# Allegro board dspeak-v1_00-0b.brd (continued)
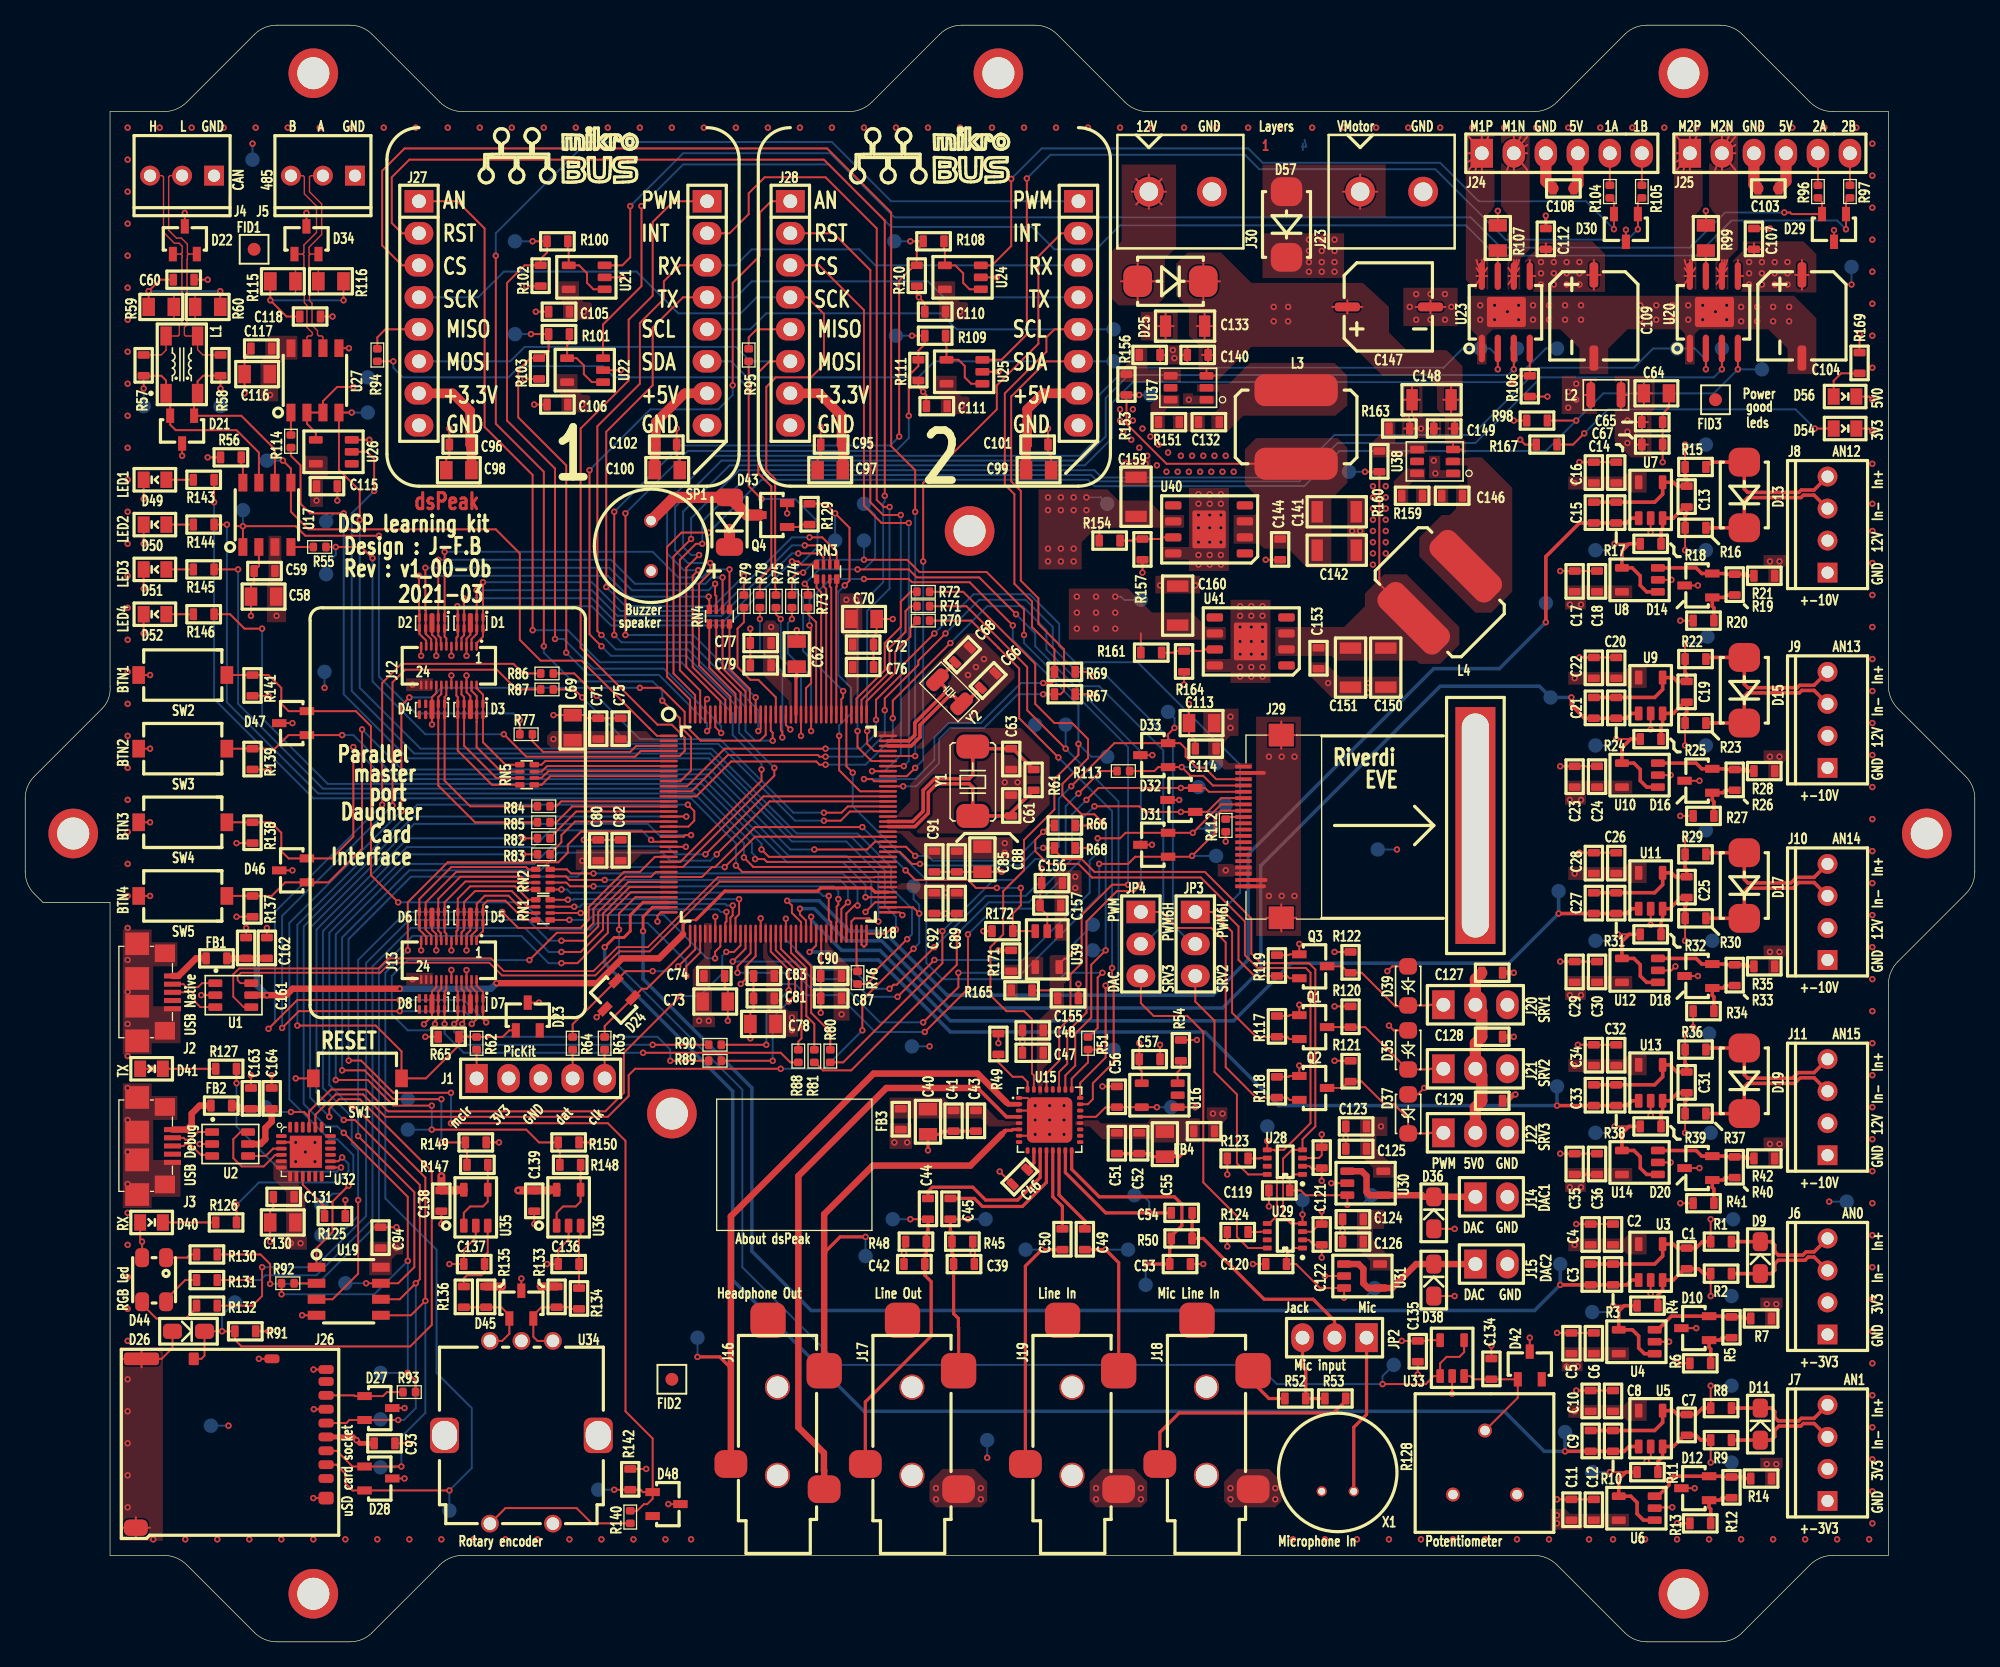
[diagram p0: board, top side]
## Copper pours and planes (outline as drawn; the poured copper is in the pictures) (continued)
DVDD_3V3 on TOP: 32.38,53.09 32.38,52.07 30.23,52.07 30.23,53.09
DVDD_3V3 on TOP: 49.91,71.63 51.82,71.63 51.82,71.37 48.13,71.37 47.62,70.87 41.78,70.87 41.4,71.25 41.4,71.88 41.78,72.26 49.28,72.26
DVDD_3V3 on TOP: 67.56,64.52 67.56,64.14 69.47,64.14 71.5,62.1 78.36,62.1 78.36,63.88 70.61,63.88 69.98,64.52
DVDD_3V3 on TOP: 22.23,94.11 23.88,94.11 24,93.98 24,92.58 23.62,92.2 23.62,90.04 22.61,90.04 22.61,92.58 22.1,93.09 22.1,93.98
DVDD_3V3 on TOP: 90.3,89.41 91.95,89.41 91.95,88.39 84.96,88.39 83.82,87.25 83.82,85.09 80.39,85.09 80.39,91.44 85.85,91.44 86.74,90.55 89.15,90.55
DVDD_3V3 on TOP: 69.34,60.07 67.56,60.07 67.56,59.69 70.23,59.69 70.99,58.93 74.68,58.93 74.68,60.2 69.47,60.2
DVDD_3V3 on TOP: 27.3,29.08 27.3,31.75 29.97,31.75 29.97,30.73 29.46,30.73 29.08,30.35 29.08,29.08
DVDD_3V3 on INNER2: 8.51,119.77 72.01,119.64 72.01,100.58 124.46,100.58 124.46,96.65 121.79,93.98 117.86,93.98 117.86,75.56 117.35,75.06 112.78,75.06 112.78,44.01 111.7,44.01 111.43,44.12 111.32,44.39 111.32,46.55 111.32,46.57 111.29,46.64 111.21,46.67 111.24,46.67 111.31,46.67 111.36,46.72 111.39,46.77 111.39,46.87 111.3,46.93 106.28,46.93 106.18,46.86 106.2,46.75 105.01,47.95 104.9,47.97 104.84,47.87 104.84,46.1 104.81,45.86 104.71,45.63 104.71,43.73 104.7,43.62 104.79,43.56 107.97,43.56 107.98,43.59 108.33,43.82 108.68,43.59 108.69,43.56 112.78,43.56 97.41,43.56 92.07,38.23 81.15,38.23 73.28,46.1 47.37,46.1 47.37,18.8 52.58,13.59 52.58,8.51 8.51,8.51 ; 3 cut-outs
DVDD_3V5 on TOP: 97.66,95.5 104.14,95.5 104.9,94.74 104.9,91.95 103.63,90.68 103.63,85.22 101.73,85.22 100.2,86.74 98.3,86.74 97.92,87.12 95.88,87.12 95.88,89.41 97.54,89.41 97.92,89.79 97.92,90.68 96.77,91.82 96.77,94.62
DVDD_5V0 on TOP: 95.25,80.52 93.73,80.52 92.58,81.66 89.41,81.66 87.5,83.57 82.8,83.57 82.8,79.5 95.25,79.5
DVDD_5V0 on TOP: 42.29,107.95 42.29,106.68 42.67,106.3 42.67,104.9 44.96,104.9 44.96,106.17 44.83,106.3 44.32,106.3 43.94,106.68 43.94,107.95
DVDD_5V0 on TOP: 72.26,100.46 72.26,99.19 72.64,98.81 72.64,97.41 74.93,97.41 74.93,98.68 74.8,98.81 74.29,98.81 73.91,99.19 73.91,100.46
DVDD_5V0 on TOP: 42.16,100.58 42.16,99.31 42.55,98.93 42.55,97.54 44.83,97.54 44.83,98.81 44.7,98.93 44.2,98.93 43.82,99.31 43.82,100.58
DVDD_5V0 on TOP: 72.14,107.95 72.14,106.68 72.52,106.3 72.52,104.9 74.8,104.9 74.8,106.17 74.68,106.3 74.17,106.3 73.79,106.68 73.79,107.95
DVDD_5V0 on INNER2: 82.8,83.57 87.5,83.57 87.76,83.31 87.76,79.5 82.8,79.5
DVDD_5V0 on INNER2: 113.79,52.07 113.79,38.48 116.33,38.48 116.33,52.07
DVDD_5V2 on TOP: 99.19,80.52 99.19,78.23 103.63,78.23 104.01,77.85 110.36,77.85 110.62,77.6 112.27,77.6 113.79,79.12 113.79,80.52 109.6,84.71 107.82,84.71 106.3,83.19 106.3,82.17 104.65,80.52
DRV1_OUTA on TOP: 117.6,113.28 117.6,107.31 118.62,107.31 118.62,109.73 119.38,110.49 119.38,119.63 117.09,119.63 117.09,113.79
DRV1_OUTB on TOP: 114.3,119.63 116.59,119.63 116.59,113.79 115.82,113.03 115.82,109.98 116.08,109.73 116.08,107.31 115.06,107.31 114.3,108.08
DRV2_OUTA on TOP: 134.11,113.28 134.11,107.31 135.13,107.31 135.13,109.73 135.89,110.49 135.89,119.63 133.6,119.63 133.6,113.79
DRV2_OUTB on TOP: 130.81,119.63 133.1,119.63 133.1,113.79 132.33,113.03 132.33,109.98 132.59,109.73 132.59,107.31 131.57,107.31 130.81,108.08
VM on TOP: 119,109.6 119,107.06 125.35,107.06 125.35,110.11 124.33,111.12 119.76,111.12 119.76,110.36
VM on TOP: 135.51,109.6 135.51,107.06 142.11,107.06 142.11,110.11 141.1,111.12 136.27,111.12 136.27,110.36
VM on TOP: 98.17,111.76 98.17,108.2 104.65,108.2 104.65,111.76
VM on INNER2: 98.17,111.76 117.09,111.76 118.74,110.11 142.11,110.11 142.11,107.06 115.32,107.06 114.17,108.2 98.17,108.2
N834116 on TOP: 79.12,41.4 79.12,40.89 76.45,40.89 75.82,41.53 68.58,41.53 68.58,43.18 72.9,43.18 73.28,42.8 75.82,42.8 77.22,41.4
N835846 on TOP: 83.31,41.4 83.31,40.89 84.45,40.89 85.47,39.88 89.28,39.88 89.53,39.62 93.22,39.62 93.22,41.53 89.28,41.53 89.03,41.15 85.34,41.15 85.09,41.4
N1016369 on TOP: 91.57,98.93 90.04,98.93 89.28,98.17 89.28,96.01 90.42,96.01 90.42,97.66 90.8,98.04 91.57,98.04
N1016373 on TOP: 93.6,97.54 93.6,96.01 91.06,96.01 91.06,97.54
N1016377 on TOP: 92.96,99.82 95.5,99.82 97.16,101.47 103.89,101.47 104.9,100.46 104.9,98.09 103.94,97.28 96.65,97.28 95.38,96.01 94.11,96.01 94.11,97.28 94.74,97.92 94.74,99.19 92.96,99.19
N1016519 on TOP: 89.03,100.97 91.69,100.97 91.69,99.95 86.61,99.95 86.61,101.22 87.25,101.22 87.76,101.73 87.76,102.87 89.03,102.87
N1021147 on TOP: 77.47,53.72 77.47,52.58 77.72,52.32 77.72,51.05 78.74,51.05 78.74,52.7 80.77,52.7 80.77,54.36 79.38,54.36 78.74,53.72
N1028933 on TOP: 109.6,93.09 111.12,93.09 111.12,92.2 110.24,92.2 109.73,91.69 109.73,90.17 108.58,90.17 108.58,92.08
N1028937 on TOP: 110.36,91.69 110.36,90.17 112.9,90.17 112.9,91.69
N1028941 on TOP: 112.65,93.98 115.57,93.98 117.98,91.57 117.98,83.31 116.33,81.66 115.06,81.66 110.62,86.11 110.62,87.63 112.39,89.41 113.03,89.41 113.54,89.92 113.54,91.57 113.79,91.82 114.43,91.82 114.43,93.34 112.65,93.34
N1029099 on TOP: 108.71,95.12 111.25,95.12 111.25,94.36 111.12,94.23 109.73,94.23 109.47,93.98 106.68,93.98 106.68,95 107.57,95.89 107.57,97.03 108.71,97.03
N1403399 on TOP: 91.31,117.22 86.99,117.22 86.99,111.12 86.11,110.24 86.11,106.68 86.74,106.05 89.79,106.05 90.42,106.68 90.42,109.73 91.31,110.62
N1579889 on TOP: 98.17,117.22 98.17,113.03 107.95,113.03 107.95,117.22

## Text on the board
BOTTOM: 4
Ref Des/Silkscreen Bottom: CANL-C | GND | CANH-C | SDnDet | CANTX | U3RX | CANLBK | FLASHnWP | U1RX | CANRX | FLASHnCS | U1DE | U1TX | FLASHnHOLD | SPI2DO | SPI2DI | SPI2CLK | RENCB | RENCA | SDnCS | QEA2 | QEB2 | RENCSW | HP-R | Buzzer | HP-L | SPI3DO | SPI3CLK | QEA1 | LO-R | QEB1 | U3TX | LO-L | LI-R | I2S-COFS | I2S-CLK | 1V8 | 3V3 | I2S-DIN | MIC-Bias | SPI3nCS | LI-L | I2S-DOUT | 5V0 | MIC-In | ASCL1 | ASDA1 | SPI1DO | 3V5 | FT8XXnINT | SPI1CLK | CODEC-12MHz | SPI1DI | ASDA2 | SPI1nCS | FT8XXnPD | ASCL2 | 5V2 | VRC-PWM6L | VRC-PWM6H | A-Pot | PWM1H | PWM1L | ADCIN12 | ADCIN13 | ADCIN14 | ADCIN0 | ADCIN15 | ADCIN1 | AN0-Vref | AN1-Vref | AN13-Vref | AN14-Vref | nFault1 | AN12-Vref | AN15-Vref | PWM2H | PWM2L | AN12-In+ | AN12-In- | AN13-In- | AN14-In+ | AN13-In+ | AN15-In+ | AN15-In- | AN14-In- | AN0-In- | AN1-In- | AN0-In+ | AN1-In+ | nFault2 | Product | code | Date | Serial | Number | 2021-03 | dsPeak | Design : J-F.B | Rev : v1_00-0b | DSP learning kit
TOP: 1 | dsPeak
Ref Des/Silkscreen Top: H | L | GND | B | A | Rotary encoder | PicKit | speaker | Buzzer | Headphone Out | About dsPeak | Line Out | Line In | 12V | Mic Line In | Layers | Microphone In | Jack | Mic input | VMotor | Mic | Potentiometer | PWM | DAC | 5V0 | M1P | M1N | 5V | 1A | 1B | M2P | M2N | Power | good | leds | +-10V | +-3V3 | 2A | AN12 | AN13 | AN14 | AN15 | 2B | AN0 | AN1 | mclr | 3V3 | dat | clk | LED1 | LED2 | LED3 | LED4 | BTN1 | BTN2 | BTN3 | BTN4 | TX | RX | RGB led | USB Native | USB Debug | CAN | 485 | uSD card socket | PWM6H | SRV3 | PWM6L | SRV2 | SRV1 | DAC1 | DAC2 | In+ | In- | RESET | Interface | DSP learning kit | Parallel | Daughter | Design : J-F.B | Rev : v1_00-0b | master | port | Card | 2021-03 | Riverdi | EVE | 1 | 2
INNER1: 2
INNER2: 3
XSECTION_CHART: *  SURFACE - AIR 0 MIL | L1 TOP CONDUCTOR - COPPER 1.377 MIL | *  DIELECTRIC - FR-4 3.937 MIL | L2 INNER1 PLANE - COPPER 0.688 MIL | *  DIELECTRIC - FR-4 49.803 MIL | L3 INNER2 PLANE - COPPER 0.688 MIL | L4 BOTTOM CONDUCTOR - COPPER 1.377 MIL | DESIGN CROSS SECTION CHART | ___________________________ | TOTAL THICKNESS 61.807 MIL | 1-4
DIMENSION: FIGURE | FINISHED_SIZE | 10.0 | 21.654 | 29.528 | 38.0 | 39.37 | 43.0 | 58.0 | 66.929 | 100.0 | 90.551x78.74 | 700.0x85.0 | ROTATION | - | 90.000 | DRILL CHART: TOP to BOTTOM | ALL UNITS ARE IN MILS | TOLERANCE_DRILL | +0.0/-0.0 | +3.937/-0.0 | +3.937/-3.937 | +7.874/-0.0 | +3.0/-3.0 | TOLERANCE_TRAVEL | PLATED | QTY | 1070 | 2 | 5 | 6 | 24 | 71 | 4 | 8 | 9 | 1 | 1207 | TOTAL HOLES:
